# Altium PCB OSP_Carrier_V8.PcbDoc (part 2 of 3) (continued)
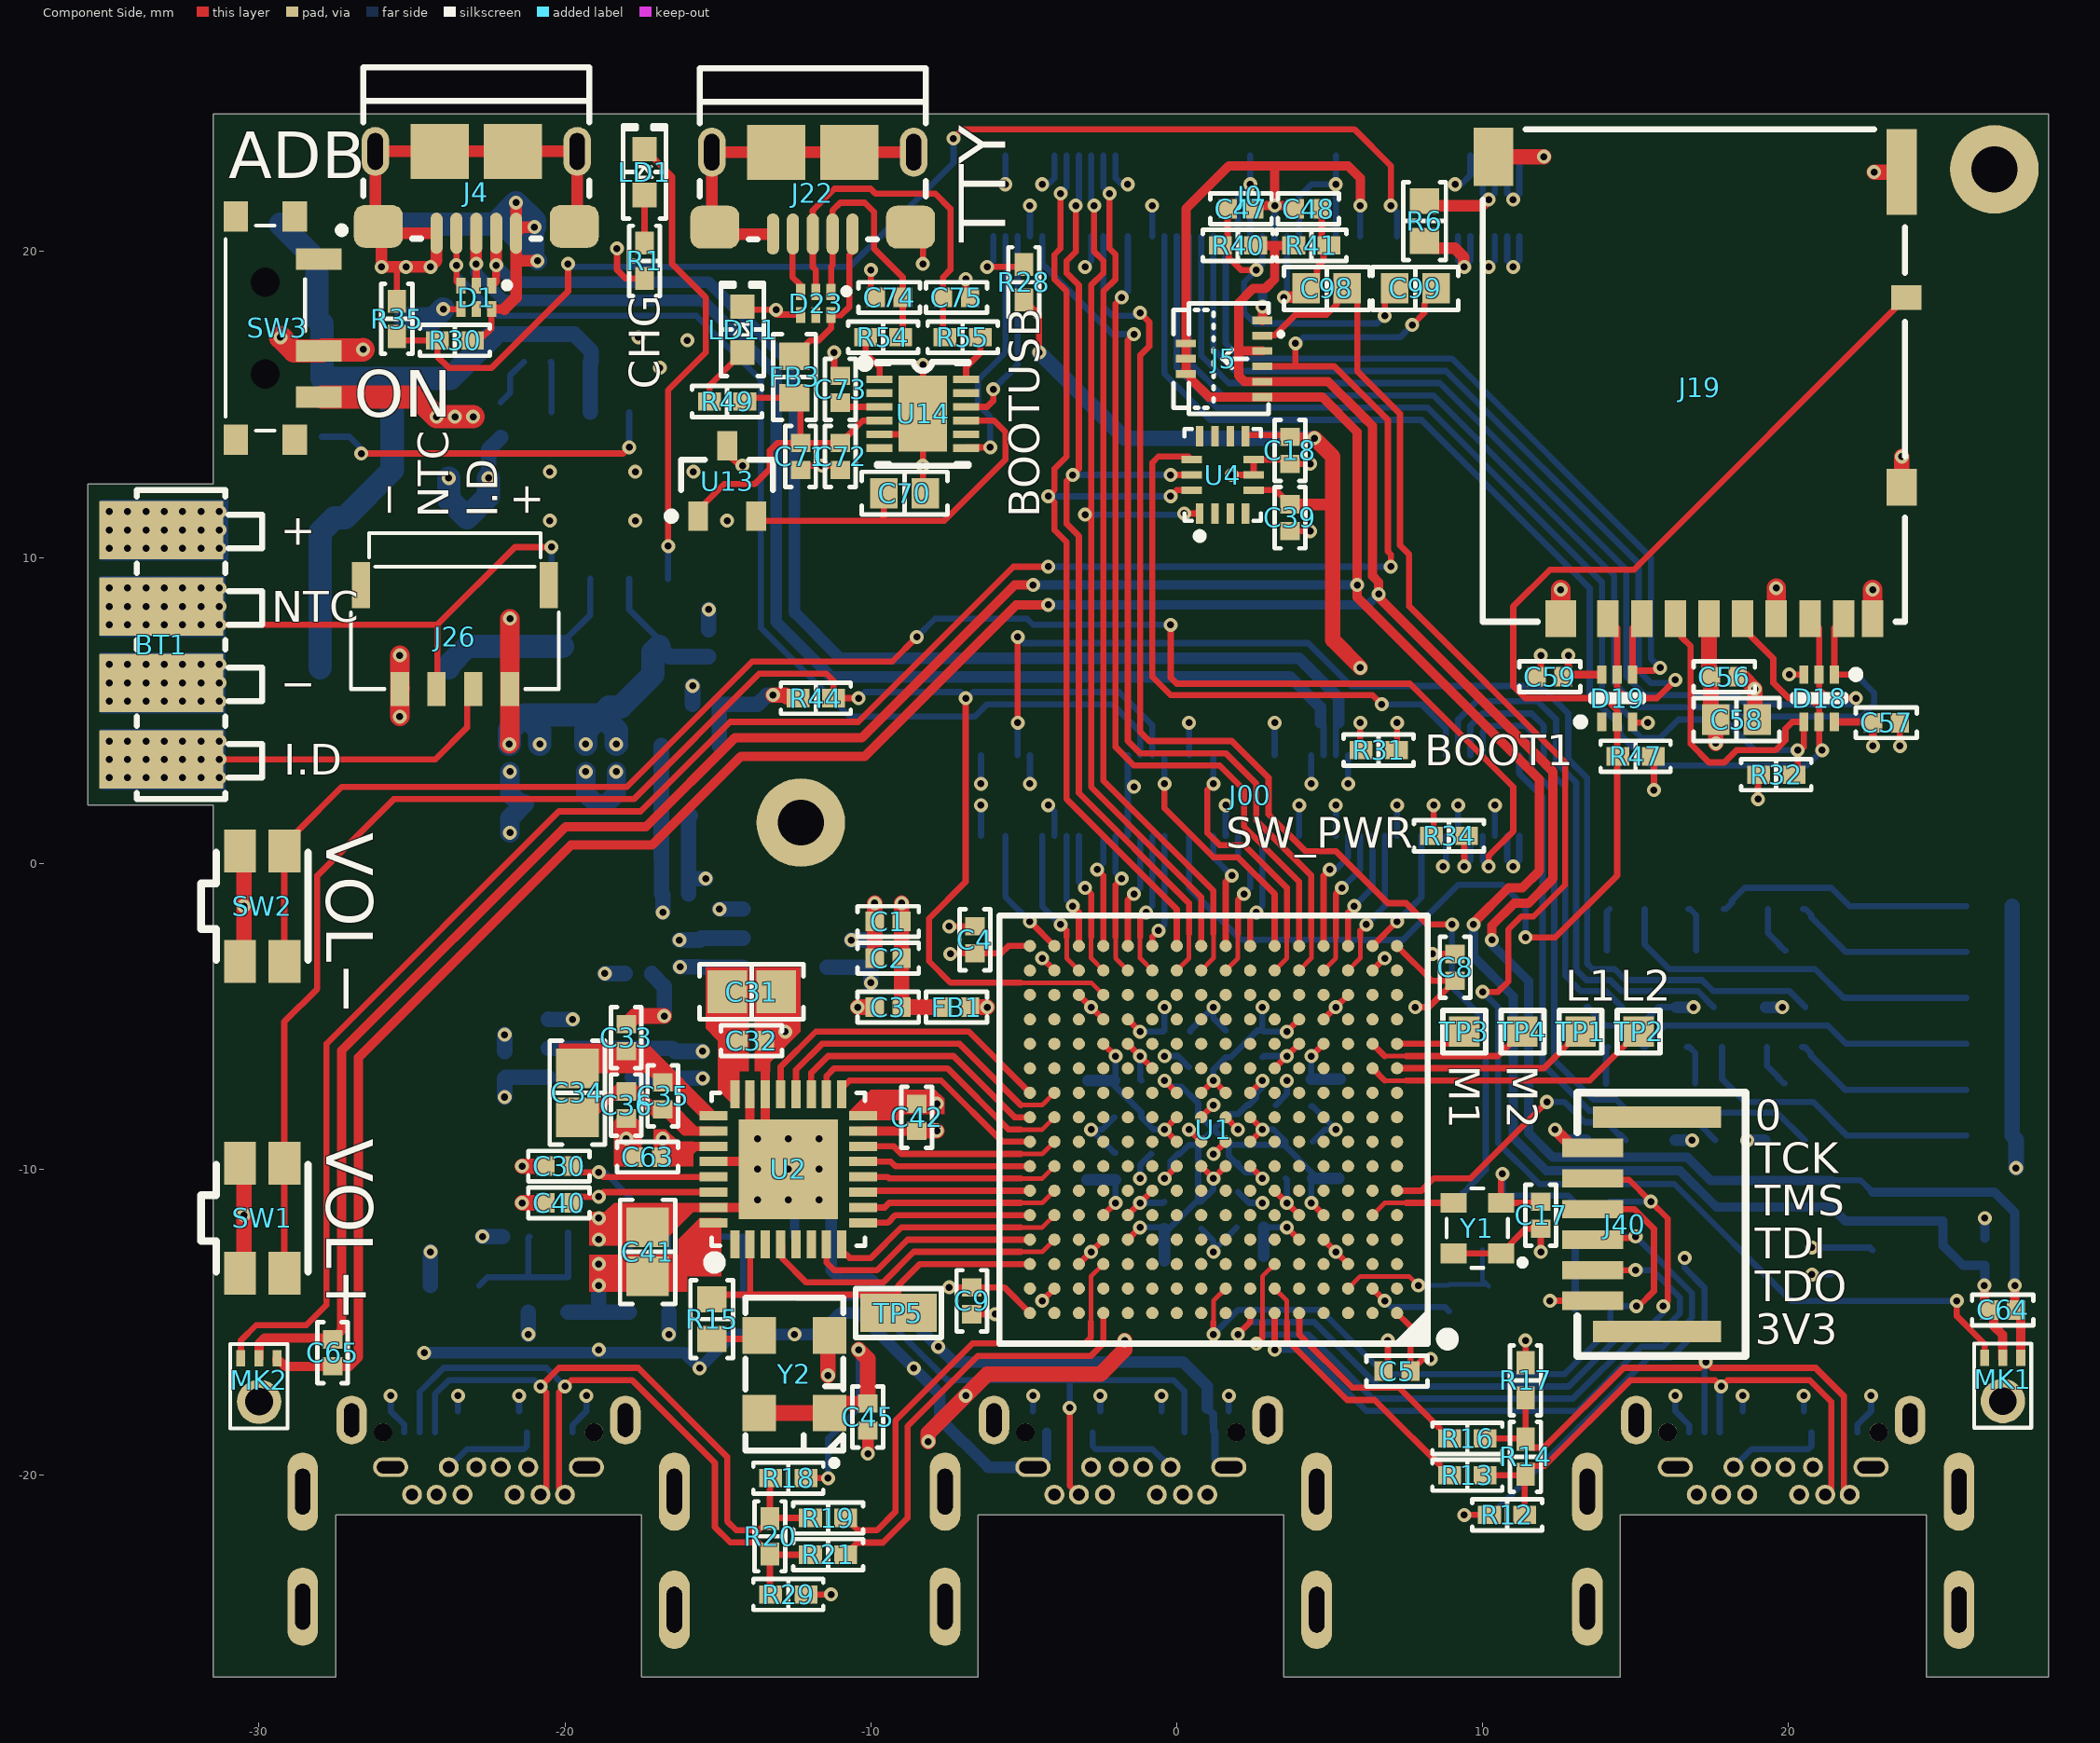
[diagram p0: Component Side view]
## Nets (pads, with @x,y where several pads share a name; then routed paths per layer and width w, separated by ;. In a path a pad name is that pad's centre, name@x,y a point inside that pad or via, vN(x,y) a via of type N, cw(c..) or ccw(c..) an arc to the next point about the centre after c; other vN are vias at no path point) (continued)
  Component Side w0.762: SW3.3@-27.95,15.25 -24.85,15.25 v1(-24.2,14.6) v1(-23.6,14.6) v1(-23,14.6)
  Solder Side w0.203: J3.B4@-23.8,-19.74 -23.21,-19.15 -21.351,-19.15 -21.25,-19.049 J3.A4@-21.25,-18.6 ; J1.A9@-2.75,-18.6 -2.75,-19.049 -2.649,-19.15 -0.79,-19.15 J1.B9@-0.2,-19.74 ; A1.7@10,20.5 10,19.7 v1(10.2,19.5) 10.4,19.7 A1.5@10.4,20.5 ; A1.8@10,23.14 10,21.9 v1(10.2,21.7) 10.4,21.9 A1.6@10.4,23.14 ; A1.3@10.8,20.5 10.8,19.7 v1(11,19.5) 11.2,19.7 A1.1@11.2,20.5 ; A1.4@10.8,23.14 10.8,21.9 v1(11,21.7) 11.2,21.9 A1.2@11.2,23.14 ; J2.B4@18.2,-19.74 18.79,-19.15 20.649,-19.15 20.75,-19.049 J2.A4@20.75,-18.6 ; v1(20.76,-12.56) C43.1@21.4,-12.56 22.66,-12.56 U3.1@22.75,-12.65
  Solder Side w0.508: v1(-21.972,-7.64) C24.1@-21.972,-7.025 -21.942,-6.995 U8.1@-20.547,-6.995 ; U8.3@-20.547,-5.095 -20.541,-5.1 v1(-19.75,-5.1) ; U7.1@-16.85,3.85 -16.85,0.204 C61.2@-16.84,0.194 C60.2@-16.84,-1 -16.8,-1.04 v1(-16.8,-1.6) ; v1(-16.24,-3.386) C54.1@-15.6,-3.386 -15.59,-3.395 U6.1@-14.175,-3.395 ; v1(-14.95,-1.495) U6.3@-14.175,-1.495 ; LD5.1@27.31,-1.4 LD9.1@27.31,-7.4 LD10.1@27.31,-8.9 27.44,-9.03 v1(27.44,-9.96)
+3V7_BATT: BT1.1 C50.1 C51.1 C52.1 J26.1 R1.2 R8.1 SW3.2 U5.6 | length 23.7
  Component Side w0.203: v1(-18.3,20.1) -18.3,19.4 -18.025,19.125 R1.2@-17.4,19.125 R1.2@-17.2,19.125
  Component Side w0.635: v1(-21.822,3.9) -21.8,3.922 J26.1@-21.8,5.7 v1(-21.8,8)
  Component Side w0.762: v1(-29.3,17.2) -28.85,16.75 -27.95,16.75 -27.919,16.781 -26.619,16.781 v1(-26.6,16.8)
  Solder Side w0.203: U5.6@-17.9,9.3 -17.9,8.3 -16.925,7.325 R8.1@-16.925,7.1
  Solder Side w0.508: R8.1@-16.925,7.1 -16.585,6.76 C50.1@-15.3,6.76
  Solder Side w0.762: v1(-21.822,3.9) -21.822,4.35 C52.1@-21.322,4.85 ; v1(-20.822,3.9) -20.822,4.35 C52.1@-21.322,4.85 ; v1(-19.322,3.9) -19.322,4.35 C51.1@-18.822,4.85 ; v1(-18.322,3.9) -18.322,4.35 C51.1@-18.822,4.85 ; R8.1@-16.925,7.1 -17.119,6.906 -17.119,6.181 -18.181,5.119 -18.553,5.119 C51.1@-18.822,4.85 ; C52.1@-21.322,4.85 C51.1@-18.822,4.85
  other v1: -34.9,10.3 -34.3,10.3 -33.7,10.3 -33.1,10.3 -32.5,10.3 -31.9,10.3 -31.3,10.3 -34.9,10.9 -34.3,10.9 -33.7,10.9 -33.1,10.9 -32.5,10.9 -31.9,10.9 -31.3,10.9 -34.9,11.5 -34.3,11.5 -33.7,11.5 -33.1,11.5 -32.5,11.5 -31.9,11.5 -31.3,11.5
+5V_USB: D1.6 D2.1 J4.1 R30.2 | length 15.9
  Component Side w0.203: R30.2@-23.025,17.1 -22.8,17.1 -22.4,17.5 D1.6@-22.4,18.12
  Component Side w0.305: D1.6@-22.4,18.12 -21.98,18.12
  Component Side w0.381: -21.98,18.12 -21.6,18.5 -21.6,19.7 ; v1(-21.6,21.6) J4.1@-21.6,20.6 ; v1(-21,20.8) -21.4,20.8 J4.1@-21.6,20.6 ; v1(-20.9,19.7) -21.6,19.7 ; -21.6,19.7 J4.1@-21.6,20.6
  Solder Side w0.635: -22.1,20.9 v1@-21,19.8 ; v1(-21,20.8) v1@-21,19.8 ; v1(-20.9,19.7) v1@-21,19.8
  Solder Side w0.762: D2.1@-25.3,20.9 -22.3,20.9 ; -22.3,20.9 v1(-21.6,21.6) -21,21 v1(-21,20.8) -21.1,20.9 -22.1,20.9 -22.3,20.9
+V_SD: A1.101 A1.103 C56.2 C57.2 C58.2 C59.2 D18.6 D19.6 J19.4 | length 28.4
  Component Side w0.254: C59.2@12.64,6.1 C59.2@12.715,6.175 ; v1(12.8,6.8) 12.8,6.26 C59.2@12.715,6.175 ; D19.6@13.9,6.175 C59.2@12.715,6.175 ; D18.6@21.5,4.625 22.735,4.625 C57.2@22.76,4.6 v1(22.76,3.84)
  Component Side w0.508: J19.4@17.4,8 17.4,6.16 C56.2@17.46,6.1 17.46,4.865 C58.2@17.625,4.7 v1(17.625,3.925)
  Signal Layer 2 w0.508: v1(11,-0.1) 12.8,1.7 12.8,3.9 ; v1(12.8,6.8) 12.8,3.9 ; v1(22.76,3.84) 22.2,4.4 18.1,4.4 v1(17.625,3.925) 17.6,3.9 12.8,3.9
  Solder Side w0.203: A1.103@10.8,0.9 10.8,0.1 v1(11,-0.1) 11.2,0.1 A1.101@11.2,0.9
ADC_CLK: R15.1 TP5.1 U1.C16 U2.2 | length 13.3
  Component Side w0.203: R15.1@-15.2,-14.25 -15.05,-14.1 -13.975,-14.1 ; U2.2@-13.95,-12.451 -13.95,-14.075 -13.975,-14.1 ; TP5.1@-9.1,-14.7 TP5.1@-9.1,-14.1 ; U1.C16@-4.8,-13.1 -8.4,-13.1 -9.1,-13.8 TP5.1@-9.1,-14.1 ; -13.975,-14.1 TP5.1@-9.1,-14.1
ADC_D0: U1.D16 U2.7 | length 7.8
  Component Side w0.203: U2.7@-11.45,-12.451 -11.45,-13.05 -11.2,-13.3 -9.8,-13.3 -8.8,-12.3 U1.D16@-4.8,-12.3
ADC_D1: U1.E15 U2.8 | length 7.8
  Component Side w0.152: -5.1,-11.9 -4.4,-11.9 U1.E15@-4,-11.5
  Component Side w0.203: U2.8@-10.95,-12.451 -10.95,-12.65 -10.7,-12.9 -10,-12.9 -9,-11.9 -5.1,-11.9
ADC_D2: U1.E16 U2.9 | length 5.6
  Component Side w0.203: U2.9@-10.249,-11.75 -9.45,-11.75 -9.2,-11.5 U1.E16@-4.8,-11.5
ADC_D3: U1.F15 U2.10 | length 6.5
  Component Side w0.152: -5.1,-11.1 -4.4,-11.1 U1.F15@-4,-10.7
  Component Side w0.203: U2.10@-10.249,-11.25 -9.55,-11.25 -9.4,-11.1 -5.1,-11.1
ADC_D4: U1.F16 U2.11 | length 5.5
  Component Side w0.203: U2.11@-10.249,-10.75 -10.199,-10.7 U1.F16@-4.8,-10.7
ADC_D5: U1.G15 U2.12 | length 6.4
  Component Side w0.152: -5.1,-10.3 -4.4,-10.3 U1.G15@-4,-9.9
  Component Side w0.203: U2.12@-10.249,-10.25 -9.45,-10.25 -9.4,-10.3 -5.1,-10.3
ADC_D6: U1.G16 U2.13 | length 5.5
  Component Side w0.203: U2.13@-10.249,-9.75 -9.35,-9.75 -9.2,-9.9 U1.G16@-4.8,-9.9
ADC_D7: U1.H15 U2.14 | length 6.5
  Component Side w0.152: -5.1,-9.5 -4.4,-9.5 U1.H15@-4,-9.1
  Component Side w0.203: U2.14@-10.249,-9.25 -9.25,-9.25 -9,-9.5 -5.1,-9.5
ADC_D8: U1.H16 U2.17 | length 7.3
  Component Side w0.203: U2.17@-10.95,-7.549 -10.95,-7.35 -10.7,-7.1 -7.7,-7.1 -5.7,-9.1 U1.H16@-4.8,-9.1
ADC_D9: U1.J15 U2.18 | length 9.1
  Component Side w0.152: -5.1,-8.7 -4.4,-8.7 U1.J15@-4,-8.3
  Component Side w0.203: U2.18@-11.45,-7.549 -11.45,-6.95 -11.2,-6.7 -7.5,-6.7 -5.5,-8.7 -5.1,-8.7
ADC_D10: U1.J16 U2.19 | length 8.9
  Component Side w0.203: U2.19@-11.95,-7.549 -11.95,-6.85 -11.4,-6.3 -7.3,-6.3 -5.3,-8.3 U1.J16@-4.8,-8.3
ADC_D11: U1.K15 U2.20 | length 10.6
  Component Side w0.152: -5.1,-7.9 -4.4,-7.9 U1.K15@-4,-7.5
  Component Side w0.203: U2.20@-12.45,-7.549 -12.45,-6.75 -11.6,-5.9 -7.1,-5.9 -5.1,-7.9
ADC_OTR: U1.K16 U2.21 | length 10.4
  Component Side w0.203: U2.21@-12.95,-7.549 -12.95,-6.65 -11.8,-5.5 -6.8,-5.5 U1.K16@-4.8,-7.5
ADC_PDWN: U1.D15 U2.4 | length 10.3
  Component Side w0.152: -5.1,-12.7 -4.4,-12.7 U1.D15@-4,-12.3
  Component Side w0.203: U2.4@-12.95,-12.451 -12.899,-12.502 -12.899,-12.917 -12.116,-13.7 -9.6,-13.7 -8.6,-12.7 -5.1,-12.7
AGND: C27.2 C30.1 C31.1 C32.2 C33.2 C36.2 C37.1 C38.2 C40.1 C41.1 C63.2 C107.1 FB2.2 J1.A1 J1.A12 J1.B1 J1.B12 R37.1 R42.1 U2.22 U2.23 U2.28 U2.31 U2.33 U8.2 | length 75.6
  Component Side w0.203: C41.1@-17.9,-12.1 -17.7,-12.3 C41.1@-17.3,-11.9 ; C32.2@-13.46,-5.8 C32.2@-13.45,-5.81
  Component Side w0.254: C36.2@-18,-8.34 v1(-18,-9) -18,-9.32 -17.74,-9.58 C63.2@-17.74,-9.6 ; C33.2@-18,-5.26 C33.2@-17.99,-5.25 ; U2.33@-13.95,-11.25 v1(-13.7,-11) v1(-12.7,-10) U2.33@-12.95,-9.75
  Component Side w0.305: -16.1,-11.4 -15.95,-11.25 U2.31@-15.151,-11.25 U2.33@-13.95,-11.25 ; U2.28@-15.151,-9.75 U2.33@-12.95,-9.75 ; U2.33@-13.95,-8.4 U2.23@-13.95,-7.549 ; C32.2@-13.46,-5.8 -13.312,-5.652 -13.312,-5.466 ; U2.33@-13.45,-8.54 U2.22@-13.45,-7.549 C32.2@-13.45,-5.81 ; v1(-12.8,-5.5) -13.279,-5.5 -13.312,-5.466 ; C31.1@-12.461,-4.839 -12.552,-4.748 -12.602,-4.748 -13.1,-4.25 C31.1@-13.1,-4.2 -13.3,-4.4 -13.3,-5.454 -13.312,-5.466
  Component Side w0.508: v1(-21.4,-11.1) C40.1@-20.64,-11.1 ; v1(-21.4,-9.9) C30.1@-20.64,-9.9 ; C33.2@-18,-5.26 -17.98,-5.26 -17.71,-4.99 v1(-16.757,-4.99) ; C41.1@-17.3,-11.9 C41.1@-16.9,-11.5 ; C31.1@-13.5,-4.6 C31.1@-13.3,-4.4 ; C31.1@-13.1,-4.2 C31.1@-12.7,-4.6
  Solder Side w0.254: 1,-17.81 1.2,-18.01 1.2,-18.278 1.202,-18.28 1.202,-18.552 J1.A1@1.25,-18.6 1.25,-19.47 1.52,-19.74 J1.B12@1.7,-19.74
  Solder Side w0.305: C107.1@-12.5,-12.2 -12.5,-10.74 ; J1.B1@-4.7,-19.74 -4.543,-19.74 -4.25,-19.447 J1.A12@-4.25,-18.6
  Solder Side w0.381: v1(-24.6,-16) -19,-16 v1(-18.9,-15.9) -18.8,-16 -16.1,-16 v1(-15.6,-16.5) -14.5,-15.4 v1(-12.5,-15.4) -11.7,-15.4 -11,-14.7 -10.4,-14.7 -7.75,-17.35 -7.75,-18.15 -6.16,-19.74 J1.B1@-4.7,-19.74 ; v1(-11.7,-11) v1@-11.6,-11 ; -11.3,-10.775 -11.3,-13.3 -11,-13.6 -10,-13.6 v1(-7.8,-15.8) -7.3,-16.3 0.2,-16.3 1,-17.1 1,-17.81
  Solder Side w0.508: C37.1@-24.4,-13.8 v1(-24.4,-12.7) ; v1(-22.7,-12.2) C38.2@-22.04,-12.2 ; v1(-21.2,-15.4) R42.1@-21.2,-14.675 ; U8.2@-20.547,-6.045 -16.492,-6.045 -16.392,-6.145 C27.2@-16.372,-6.145 v1(-15.5,-6.145) ; FB2.2@-17.16,-3.6 -17.16,-3.62 -16.757,-4.023 v1(-16.757,-4.99) ; v1(-16.6,-15.4) R37.1@-16.6,-14.675
  other v1: -8.6,-16.5 -18.9,-12.3 -18.9,-11.6 -12.7,-11 -13.7,-10 -11.7,-10 -13.7,-9 -12.7,-9 -11.7,-9
BATT_ID: BT1.4 J26.2 | length 11.8
  Component Side w0.203: BT1.4@-33.2,3.4 v1(-33.1,3.4) v1(-32.5,3.4) v1(-31.9,3.4) v1(-31.3,3.4) -24.24,3.4 -23.2,4.44 -23.2,5.133 -23.198,5.134 -23.198,5.502 J26.2@-23,5.7
  other v1: -34.9,2.8 -34.3,2.8 -33.7,2.8 -33.1,2.8 -32.5,2.8 -31.9,2.8 -31.3,2.8 -34.9,3.4 -34.3,3.4 -33.7,3.4 -34.9,4 -34.3,4 -33.7,4 -33.1,4 -32.5,4 -31.9,4 -31.3,4
BATT_NTC: BT1.2 J26.3 U5.8 | length 19.1
  Component Side w0.203: v1(-31.3,8.4) v1(-31.9,8.4) v1(-32.5,8.4) v1(-33.1,8.4) BT1.2@-33.2,8.4 -32.6,7.8 v1(-32.5,7.8) v1(-31.9,7.8) v1(-31.3,7.8) -24.175,7.8 ; J26.3@-24.2,5.7 -24.175,5.725 -24.175,7.8 ; v1(-20.44,10.34) -21.635,10.34 -24.175,7.8
  Solder Side w0.203: U5.8@-20.44,9.3 v1(-20.44,10.34)
  other v1: -34.9,7.8 -34.3,7.8 -33.7,7.8 -33.1,7.8 -34.9,8.4 -34.3,8.4 -33.7,8.4 -34.9,9 -34.3,9 -33.7,9 -33.1,9 -32.5,9 -31.9,9 -31.3,9
BT_LED_CTRL: A1.102 Q6.1 | length 17.1
  Solder Side w0.203: A1.102@11.2,3.54 11.2,2.939 11.962,2.177 11.962,-6.564 13.479,-8.081 14.219,-8.081 14.655,-8.517 15.892,-8.517 15.896,-8.513 17.072,-8.513 Q6.1@17.601,-9.042
CGND: A1.27 A1.41 A1.45 C44.2 C47.1 C48.1 C64.1 C65.1 FB4.1 J5.2 J5.4 J5.6 J5.S MK1.2 MK2.2 U3.2 | length 128.4
  Component Side w0.305: MK2.2@-30.005,-16.185 -30.005,-15.707 -29.81,-15.512 -27.532,-15.512 -27.432,-15.412 -27.432,-15.397 -27.3,-15.265 -27.3,-6.12 -19.98,1.2 -17.35,1.2 -14.45,4.1 -10.3,4.1 -5.5,8.9 -5.3,9.1 v1(-4.7,9.1) ; C47.1@2.54,21.4 2.64,21.5 v1(3.2,21.5) ; J5.S@2.8,17.75 v1(2.8,18.2) ; C48.1@3.86,21.4 3.76,21.5 v1(3.2,21.5) ; v1(6,21.5) 6,22.4 5.6,22.8 3.2,22.8 ; 7,7.6 5.9,8.7 v1(5.9,9.1) 5.9,14.1 4.75,15.25 J5.S@2.8,15.25 1.05,15.25 0.473,15.827 0.473,15.973 0.445,16 J5.6@0.3,16 J5.4@0.3,16.5 J5.2@0.3,17 0.3,21.4 1.7,22.8 3.2,22.8 ; 7.05,7.55 11.86,2.74 11.86,-0.24 11.3,-0.8 10.85,-0.8 9.7,-1.95 v1(9.7,-2) ; v1(26.4,-13.8) 26.4,-14.254 26.412,-14.266 26.412,-14.452 C64.1@26.56,-14.6 26.703,-14.743 26.703,-15.113 27.002,-15.412 MK1.2@27.002,-16.165 ; v1(3.2,21.5) 3.2,22.8
  Solder Side w0.203: A1.45@2.4,20.5 2.4,21.3 2.6,21.5 v1(3.2,21.5) A1.41@3.2,20.5 3.2,19.6 ; A1.27@6,20.5 v1(6,21.5)
  Solder Side w0.305: v1(-4.7,9.1) v1(5.9,9.1) ; v1(2.8,18.2) 2.8,18.7 3.2,19.1 3.2,19.6 ; v1(9.7,-2) 9.7,-3.046 11,-4.346 11,-8.965 12.085,-10.05 16.45,-10.05 17.64,-11.24 C44.2@21.4,-11.24 ; C44.2@21.568,-11.388 21.568,-11.408 21.86,-11.7 U3.2@25.05,-11.7 25.05,-12.49 25.7,-13.14 FB4.1@26.412,-13.14 v1@26.412,-13.8
F_OSC: U1.E2 Y1.3 | length 2.8
  Component Side w0.152: U1.E2@6.4,-11.5 6.8,-11.1 7.5,-11.1
  Component Side w0.203: 7.5,-11.1 Y1.3@9.05,-11.1
FMBUS: J1.A3 J1.B3 R78.1 | length 19.2
  Component Side w0.203: v1(-3.5,-17.8) -3.5,-20.34 J1.B3@-3.2,-20.64
  Solder Side w0.203: R78.1@-12.425,-14.2 -10.2,-14.2 -7.5,-16.9 -3.5,-16.9 ; v1(-3.5,-17.8) -3.5,-16.9 ; J1.A3@0.25,-18.6 0.25,-17.25 -0.1,-16.9 -3.5,-16.9
GND: A1.10 A1.31 A1.32 A1.37 A1.46 A1.47 A1.61 A1.68 A1.71 A1.78 A1.81 A1.86 A1.105 A1.111 A1.115 A1.121 A1.130 A1.131 A1.136 A1.137 A1.142 A1.149 A1.156 A1.165 A1.166 A1.177 A1.182 A1.189 A1.190 BT1.3 C1.1 C2.2 C3.1 C4.1 C5.1 C6.1 C7.1 C8.1 C9.1 C10.1 C11.1 C12.1 C13.1 C14.2 C15.1 C16.1 C17.1 C18.2 C19.1 C20.1 C21.2 C22.2 C23.2 C24.2 C25.2 C26.2 C28.2 C39.2 C42.2 C43.2 C45.1 C46.2 C50.2 C51.2 C52.2 C53.2 C54.2 C55.2 C56.1 C57.1 C58.1 C59.1 C60.1 C61.1 C62.2 C70.1 C71.1 C72.1 C73.1 C74.1 C75.1 D1.4 D3.1 D18.3 D19.3 D23.4 FB2.1 FB4.2 J1.S J2.A1 J2.A12 J2.B1 J2.B12 J2.S J3.A1 J3.A12 J3.B1 J3.B12 J3.S J4.5 J4.S J19.6 J19.9 J19.S J22.5 J22.S J26.4 J40.6 LD11.2 Q1.3 Q2.3 Q3.3 Q4.3 Q5.3 Q6.3 Q7.3 R9.2 R11.1 R17.1 R29.1 R34.1 R35.1 SW1.2 SW2.2 U1.B2 U1.B15 U1.C3 U1.C14 U1.D4 U1.D13 U1.E5 U1.E12 U1.F6 U1.F11 U1.H8 U1.H9 U1.J8 U1.J9 U1.L6 U1.L11 U1.M5 U1.M12 U1.N4 U1.N13 U1.P3 U1.P14 U1.R2 U1.R15 U2.15 U4.6 U4.7 U5.4 U6.2 U7.2 U13.2 U14.5 U14.13 Y1.2 Y2.2 | length 199.7
  Component Side w0.203: R35.1@-25.5,18.375 -25.5,19.5 ; v1(-23.98,18.12) D1.4@-23.4,18.12 ; U13.2@-14.7,13.65 -14.7,13.7 -14.675,13.675 -14.675,13.375 -14.3,13 v1(-14.2,13) ; LD11.2@-14.2,18.2 -14.1,18.1 v1(-13.1,18.1) -13.1,17.94 -12.42,17.94 D23.4@-12.3,17.82 ; J22.5@-13.2,20.1 J22.5@-13.2,20.575 ; C71.1@-12.3,12.86 -12.16,13 v1(-11.6,13) -11.14,13 C72.1@-11,12.86 ; R29.1@-12.125,-23.9 v1(-11.3,-23.9) ; v1(-11.2,16.7) -11.2,16.14 C73.1@-11,15.94 ; v1(-10,19.4) -10,18.66 C74.1@-9.84,18.5 ; U14.5@-9.715,14.025 -8.975,14.025 U14.13@-8.3,14.7 ; J22.S@-8.7,20.8 -8.3,20.4 v1(-8.3,19.6) ; C42.2@-8.51,-8.75 C42.2@-8.5,-8.74 ; v1(-8.3,16.3) U14.13@-8.3,14.7 ; C70.1@-8.225,12.1 -8.3,12.175 v1(-8.3,13) U14.13@-8.3,14.7 ; v1(-7.44,-2.06) C4.1@-6.6,-2.06 ; v1(-6.9,19.1) -6.9,18.64 C75.1@-6.76,18.5 ; C9.1@-6.7,-14.74 v1(-5.94,-14.74) ; v1(-4.4,-14.3) U1.B15@-4,-13.9 ; v1(-4.4,-3.1) U1.R15@-4,-3.5 ; U1.C14@-3.2,-13.1 v1(-2.8,-12.7) U1.D13@-2.4,-12.3 ; U1.P14@-3.2,-4.3 v1(-2.8,-4.7) U1.N13@-2.4,-5.1 ; U1.E12@-1.6,-11.5 v1(-1.2,-11.1) U1.F11@-0.8,-10.7 ; U1.M12@-1.6,-5.9 v1(-1.2,-6.3) U1.L11@-0.8,-6.7 ; v1(0.4,-8.7) U1.H9@0.8,-9.1 ; U1.J9@0.8,-8.3 v1(1.2,-7.9) ; v1(1.2,-9.5) U1.H8@1.6,-9.1 ; U1.J8@1.6,-8.3 v1(2,-8.7) ; v1(1.8,12.7) U4.6@2.512,12.7 U4.7@2.512,13.2 3.56,13.2 C18.2@3.7,13.06 v1(4.36,13.06) ; U1.F6@3.2,-10.7 v1(3.6,-11.1) U1.E5@4,-11.5 ; U1.L6@3.2,-6.7 v1(3.6,-6.3) U1.M5@4,-5.9 ; C39.2@3.7,10.86 v1(4.36,10.86) ; U1.D4@4.8,-12.3 v1(5.2,-12.7) U1.C3@5.6,-13.1 ; U1.N4@4.8,-5.1 v1(5.2,-4.7) U1.P3@5.6,-4.3 ; U1.B2@6.4,-13.9 v1(6.8,-14.3) ; U1.R2@6.4,-3.5 v1(6.8,-3.1) ; C5.1@6.76,-16.6 6.9,-16.46 v1(6.9,-15.6) ; R34.1@8.325,0.9 8.4,0.975 v1(8.4,1.9) ; v1(8.36,-2.96) C8.1@9.1,-2.96 ; v1(10.65,-10.149) 10.6,-10.199 Y1.2@10.6,-11.1 11.86,-11.1 C17.1@11.9,-11.06 ; R17.1@11.4,-16.325 v1(11.4,-15.6) ; C59.1@11.76,6.1 11.9,6.24 v1(11.9,6.8) ; J40.6@12.971,-9.3 J40.6@13.6,-9.3 ; D19.3@14.9,4.625 14.925,4.6 v1(15.4,4.6) ; v1(20.025,6.175) D18.3@20.5,6.175 ; v1(23.64,3.84) C57.1@23.64,4.6
  Component Side w0.305: U2.15@-10.249,-8.75 C42.2@-8.51,-8.75
  Component Side w0.381: J4.S@-19.7,20.825 -19.6,20.925 J4.S@-19.6,23.275 J4.S@-21.7,23.275 J4.S@-24.1,23.275 J4.S@-26.2,23.275 -26.2,20.925 J4.S@-26.1,20.825 J4.S@-26,20.725 ; J22.5@-13.2,20.575 -14.875,20.575 J22.S@-15.1,20.8 -15.2,20.9 J22.S@-15.2,23.25 J22.S@-13.1,23.25 J22.S@-10.7,23.25 J22.S@-8.6,23.25 ; v1(-10.1,-19.3) C45.1@-10.1,-18.54 ; v1(12.371,-8.7) J40.6@12.971,-9.3 ; J4.S@-26,20.725 v1(-26,19.5) -25.5,19.5 v1(-25.2,19.5) v1(-24.4,19.5) -24.2,19.7 J4.5@-24.2,20.6 -25.875,20.6 J4.S@-26,20.725
  Component Side w0.508: SW1.2@-30.625,-13.4 -30.5,-13.275 v1(-30.5,-11.5) -30.5,-9.925 SW1.2@-30.625,-9.8 ; SW2.2@-30.625,-3.2 -30.5,-3.075 v1(-30.5,-1.4) -30.5,0.275 SW2.2@-30.625,0.4 ; v1(-11.4,-16.74) -11.4,-15.92 -11.62,-15.7 Y2.2@-11.35,-15.43 ; v1(-10.431,-4.7) C3.1@-9.874,-4.7 ; C2.2@-9.874,-3.1 C1.1@-9.874,-1.9 v1(-9.874,-1.3) ; C42.2@-8.5,-8.74 v1(-7.84,-8.74) ; v1(-8.125,-18.9) -8.125,-18.625 v1(-6.9,-17.4) -6.2,-16.7 -2.5,-16.7 -1.7,-15.9 v1(-1.7,-15.6) ; J19.S@10.35,23.1 v1(12,23.1) ; C56.1@18.34,6.1 18.5,6.1 v1(18.9,5.7) 18.9,4.775 C58.1@18.975,4.7 ; v1(22.8,22.6) J19.S@23.7,22.6 ; J19.S@23.7,12.3 v1(23.7,13.3)
  Component Side w0.635: v1(-25.4,4.8) J26.4@-25.4,5.7 J26.4@-25.383,5.718 ; J26.4@-25.4,5.735 v1(-25.4,6.8) ; J19.S@12.55,8 v1(12.55,8.95) ; J19.6@19.6,8 v1(19.6,9) ; J19.9@22.75,8 v1(22.75,8.95)
  Solder Side w0.203: v1(-25.7,-17.4) J3.S@-25.7,-17.91 -25.25,-18.36 J3.A12@-25.25,-18.6 ; J3.S@-23.5,-17.91 v1(-23.5,-17.4) ; J3.S@-21.5,-17.91 v1(-21.5,-17.4) ; J3.A1@-19.75,-18.6 -19.75,-18.36 J3.S@-19.3,-17.91 v1(-19.3,-17.4) ; A1.189@-6.4,0.9 v1(-6.4,1.9) ; v1(-6.4,2.6) A1.190@-6.4,3.54 ; v1(-5.6,22.2) A1.86@-5.6,23.14 ; v1(-4.8,2.6) A1.182@-4.8,3.54 ; A1.81@-4.8,20.5 v1(-4.8,21.5) ; J1.S@-4.7,-17.91 v1(-4.7,-17.4) ; v1(-4.4,22.2) -4.2,22.2 -4,22.4 A1.78@-4,23.14 ; v1(-4.2,1.9) -4,1.7 A1.177@-4,0.9 ; v1(-3,19.5) -2.8,19.7 A1.71@-2.8,20.5 ; J1.S@-2.5,-17.91 v1(-2.5,-17.4) ; C16.1@-2.04,-8.3 -2.44,-8.7 v1(-2.8,-8.7) -2.04,-9.46 C28.2@-2,-9.46 ; A1.68@-2,23.14 -2,22.4 -1.8,22.2 v1(-1.6,22.2) ; A1.165@-1.6,0.9 -1.6,2.3 ; A1.166@-1.6,3.54 -1.6,2.7 ; v1(-1.2,-11.1) -0.44,-11.1 C22.2@-0.4,-11.06 ; v1(-1.2,-10.3) -1.2,-9.86 C7.1@-0.84,-9.5 ; v1(-1.2,-6.3) -1.2,-7.06 C26.2@-1.16,-7.1 ; A1.61@-0.8,20.5 v1(-0.8,21.5) ; J1.S@-0.5,-17.91 v1(-0.5,-17.4) ; v1(-0.4,-6.3) 0.04,-6.3 C10.1@0.4,-6.66 ; A1.156@0.4,3.54 v1(0.4,4.6) ; C21.2@0.44,-5.5 0.44,-5.46 v1(1.2,-4.7) 1.2,-5.06 C12.1@1.6,-5.46 ; C13.1@0.8,-11.94 1.2,-12.34 v1@1.2,-12.66 ; v1(1.2,-12.7) v1@1.2,-12.66 ; A1.149@1.6,0.9 v1(1.6,1.9) ; J1.S@1.7,-17.91 v1(1.7,-17.4) ; C25.2@1.96,-11.9 v1@1.2,-12.66 ; C11.1@2,-10.74 2.36,-11.1 v1(2.8,-11.1) ; A1.47@2,20.5 2,21.8 v1(2.4,22.2) A1.46@2.4,23.14 ; C23.2@2.8,-6.34 2.84,-6.3 v1(3.6,-6.3) ; A1.142@3.2,3.54 v1(3.2,4.6) ; C6.1@3.24,-7.9 3.6,-7.54 v1(3.6,-7.1) ; C15.1@3.56,-10.3 3.6,-10.34 v1(3.6,-11.1) ; A1.137@4,0.9 v1(4,1.9) ; A1.37@4,20.5 4,21.8 4.4,22.2 v1(5.2,22.2) ; C19.1@4.4,-7.94 4.44,-7.94 v1(5.2,-8.7) 4.84,-8.7 C20.1@4.44,-9.1 ; v1(4.4,2.6) A1.136@4.4,3.54 ; A1.131@5.2,0.9 v1(5.2,1.9) ; A1.31@5.2,20.5 v1(5.2,22.2) ; A1.32@5.2,23.14 v1(5.2,22.2) ; v1(5.6,2.6) A1.130@5.6,3.54 ; v1(6.8,-14.3) 7,-14.5 8.76,-14.5 C14.2@8.9,-14.64 ; A1.121@7.2,0.9 v1(7.2,1.9) ; A1.115@8.4,0.9 v1(8.4,1.9) ; v1(9.1,22.2) 9.3,22.2 9.6,22.5 A1.10@9.6,23.14 ; A1.111@9.2,0.9 v1(9.2,1.9) ; A1.105@10.4,0.9 v1(10.4,1.9) ; v1(10.65,-10.149) Q7.3@10.65,-10.775 10.737,-10.862 12.802,-10.862 R11.1@13,-11.06 ; Q3.3@13.4,-4.7 Q3.3@13.411,-4.7 13.436,-4.7 13.609,-4.873 13.609,-4.908 14.001,-5.3 15.15,-5.3 15.75,-4.7 Q1.3@16.33,-4.7 ; Q6.3@16.246,-9.097 Q6.3@16.301,-9.042 ; v1(16.3,-17.4) J2.S@16.3,-17.91 16.75,-18.36 J2.A12@16.75,-18.6 ; J2.S@18.5,-17.91 v1(18.5,-17.4) ; J2.S@20.5,-17.91 v1(20.5,-17.4) ; v1(20.76,-13.44) C43.2@21.4,-13.44 ; J2.A1@22.25,-18.6 22.25,-18.36 J2.S@22.7,-17.91 v1(22.7,-17.4) ; -1.6,2.3 v1@-1.6,2.5 ; -1.6,2.3 v1(-1.4,2.5) ; v1@-1.6,2.5 -1.6,2.7 ; v1@-1.6,2.5 v1(-1.4,2.5) ; -1.6,2.7 v1(-1.4,2.5)
  Solder Side w0.305: FB4.2@26.412,-12.26 v1(26.412,-11.6)
  Solder Side w0.381: v1(12.371,-8.7) 12.717,-9.046 Q4.3@13.382,-9.046 ; Q6.3@16.301,-9.042 16.306,-9.047 16.845,-9.047 v1(16.849,-9.051) ; Q1.3@16.33,-4.7 v1(16.893,-4.7) ; v1(18.65,-9.051) 18.654,-9.047 19.216,-9.047 Q5.3@19.221,-9.042 ; Q2.3@19.25,-4.7 v1(19.796,-4.7)
  Solder Side w0.508: v1(-22.5,12.6) -22.5,13.525 R9.2@-22.1,13.925 ; C24.2@-21.972,-6.145 v1(-21.972,-5.6) ; v1(-18.7,-3.6) FB2.1@-18.04,-3.6 ; v1(-16.26,-2.506) C54.2@-15.6,-2.506 -15.54,-2.445 U6.2@-14.175,-2.445 ; C60.1@-15.96,-1 -15.96,-0.5 ; U7.2@-15.9,1.55 -15.96,1.49 C61.1@-15.96,0.194 -15.96,-0.5 ; C62.2@-15.84,5.2 -15.829,5.211 v1(-15.829,5.8) ; v1(-15.4,-0.5) -15.96,-0.5 ; C50.2@-15.3,7.64 v1(-15.3,8.3) ; v1(-10.64,-2.506) C55.2@-10,-2.506
  Solder Side w0.635: v1(-21.8,1) -21.8,1.472 C52.2@-21.322,1.95 -21.467,1.95 -21.8,2.282 v1(-21.8,3) ; v1(-19.322,3) -19.322,2.282 -18.989,1.95 C51.2@-18.822,1.95 -18.654,1.95 -18.322,2.282 v1(-18.322,3)
  Solder Side w0.762: C46.2@-25.21,17.8 -24.3,17.8 v1(-23.98,18.12) ; v1(-23.8,12.6) -23.8,11.9 D3.1@-23.2,11.3 -22.5,12 v1(-22.5,12.6)
  other v1: -34.9,5.3 -34.3,5.3 -33.7,5.3 -33.1,5.3 -32.5,5.3 -31.9,5.3 -31.3,5.3 -34.9,5.9 -34.3,5.9 -33.7,5.9 -33.1,5.9 -32.5,5.9 -31.9,5.9 -31.3,5.9 -34.9,6.5 -34.3,6.5 -33.7,6.5 -33.1,6.5 -32.5,6.5 -31.9,6.5 -31.3,6.5 -20.5,11.2 -17.7,11.2 -14.7,11.2 -20.5,12.8 -17.7,12.8 -15.8,12.8 -16.9,16.2 -16,17.1 -17.6,17.2
GPIO7: A1.79 U1.R5 | length 30
  Component Side w0.152: U1.R5@4,-3.5 4.4,-3.1 4.4,-2.4
  Component Side w0.203: v1(-1.4,17.3) -1.6,17.1 -1.6,4 -1.2,3.6 1.6,3.6 2.6,2.6 2.6,1.4 4.4,-0.4 4.4,-2.4
  Solder Side w0.203: A1.79@-4.4,20.5 -4.4,19.6 -2.1,17.3 v1(-1.4,17.3)
GPIO17: A1.69 Q7.1 | length 40.7
  Component Side w0.203: v1(-1.2,18) -0.9,17.7 -0.9,16.9 -1.2,16.6 -1.2,4.3 -0.9,4 1.8,4 3,2.8 3,1.6 4.2,0.4 5.2,0.4 6.9,-1.3 7.5,-1.3 8.2,-2 v1(9,-2)
  Solder Side w0.203: A1.69@-2.4,20.5 -2.4,18.2 -2.1,17.9 -1.3,17.9 v1(-1.2,18) ; v1(9,-2) 9,-4.052 10.1,-5.152 10.1,-10.025 9.548,-10.577 9.548,-10.602 9.375,-10.775 Q7.1@9.35,-10.775
GPIO31_CLK: A1.185 U1.T15 | length 4.3
  Component Side w0.203: v1(-4.8,-1.9) U1.T15@-4,-2.7
  Solder Side w0.203: A1.185@-5.6,0.9 -5.6,-1.1 v1(-4.8,-1.9)
GPIO62_INT: A1.160 U1.T6 | length 8.2
  Component Side w0.203: v1(-0.4,2.6) -0.4,1.8 1.2,0.2 2,0.2 3.2,-1 U1.T6@3.2,-2.7
  Solder Side w0.203: v1(-0.4,2.6) A1.160@-0.4,3.54
I2S1_D0: A1.143 U1.T7 | length 3.8
  Component Side w0.203: U1.T7@2.4,-2.7 2.4,-1.8 v1(2.6,-1.6)
  Solder Side w0.203: v1(2.6,-1.6) 2.8,-1.4 A1.143@2.8,0.9
I2S1_D1: A1.179 U1.R14 | length 4.9
  Component Side w0.152: -3.6,-2.4 -3.6,-3.1 U1.R14@-3.2,-3.5
  Component Side w0.203: v1(-3.8,-2) -3.6,-2.2 -3.6,-2.4
  Solder Side w0.203: A1.179@-4.4,0.9 -4.4,-1.4 v1(-3.8,-2)
I2S1_SCK: A1.147 U1.R8 | length 4.9
  Component Side w0.152: U1.R8@1.6,-3.5 2,-3.1 2,-2.3
  Component Side w0.203: 2,-2.3 2,-1.2 v1(2.2,-1)
  Solder Side w0.203: A1.147@2,0.9 2,0.2 2.4,-0.2 2.4,-0.8 v1(2.2,-1)
I2S1_WS: A1.151 U1.T8 | length 3.9
  Component Side w0.203: U1.T8@1.6,-2.7 1.6,-0.6 v1(1.8,-0.4)
  Solder Side w0.203: A1.151@1.2,0.9 1.2,0.2 v1(1.8,-0.4)
I2S2_D0: A1.159 U1.T11 | length 3.8
  Component Side w0.203: U1.T11@-0.8,-2.7 -0.8,-2.4 v1(-0.6,-2.2)
  Solder Side w0.203: v1(-0.6,-2.2) -0.4,-2 A1.159@-0.4,0.9
I2S2_D1: A1.117 U1.T2 | length 4.3
  Component Side w0.203: U1.T2@6.4,-2.7 v1(7.2,-1.9)
  Solder Side w0.203: v1(7.2,-1.9) 8,-1.1 A1.117@8,0.9
I2S2_SCK: A1.163 U1.T12 | length 3.8
  Component Side w0.203: U1.T12@-1.6,-2.7 -1.6,-1.2 v1(-1.4,-1)
  Solder Side w0.203: v1(-1.4,-1) -1.2,-0.8 A1.163@-1.2,0.9
I2S2_WS: A1.161 U1.R11 | length 4.7
  Component Side w0.152: -1.2,-2.4 -1.2,-3.1 U1.R11@-0.8,-3.5
  Component Side w0.203: -1.2,-2.4 -1.2,-1.8 v1(-1,-1.6)
  Solder Side w0.203: v1(-1,-1.6) -0.8,-1.4 A1.161@-0.8,0.9